# Altium PCB KASLI-DIOT-CPU.PcbDoc (part 3 of 5) (continued)
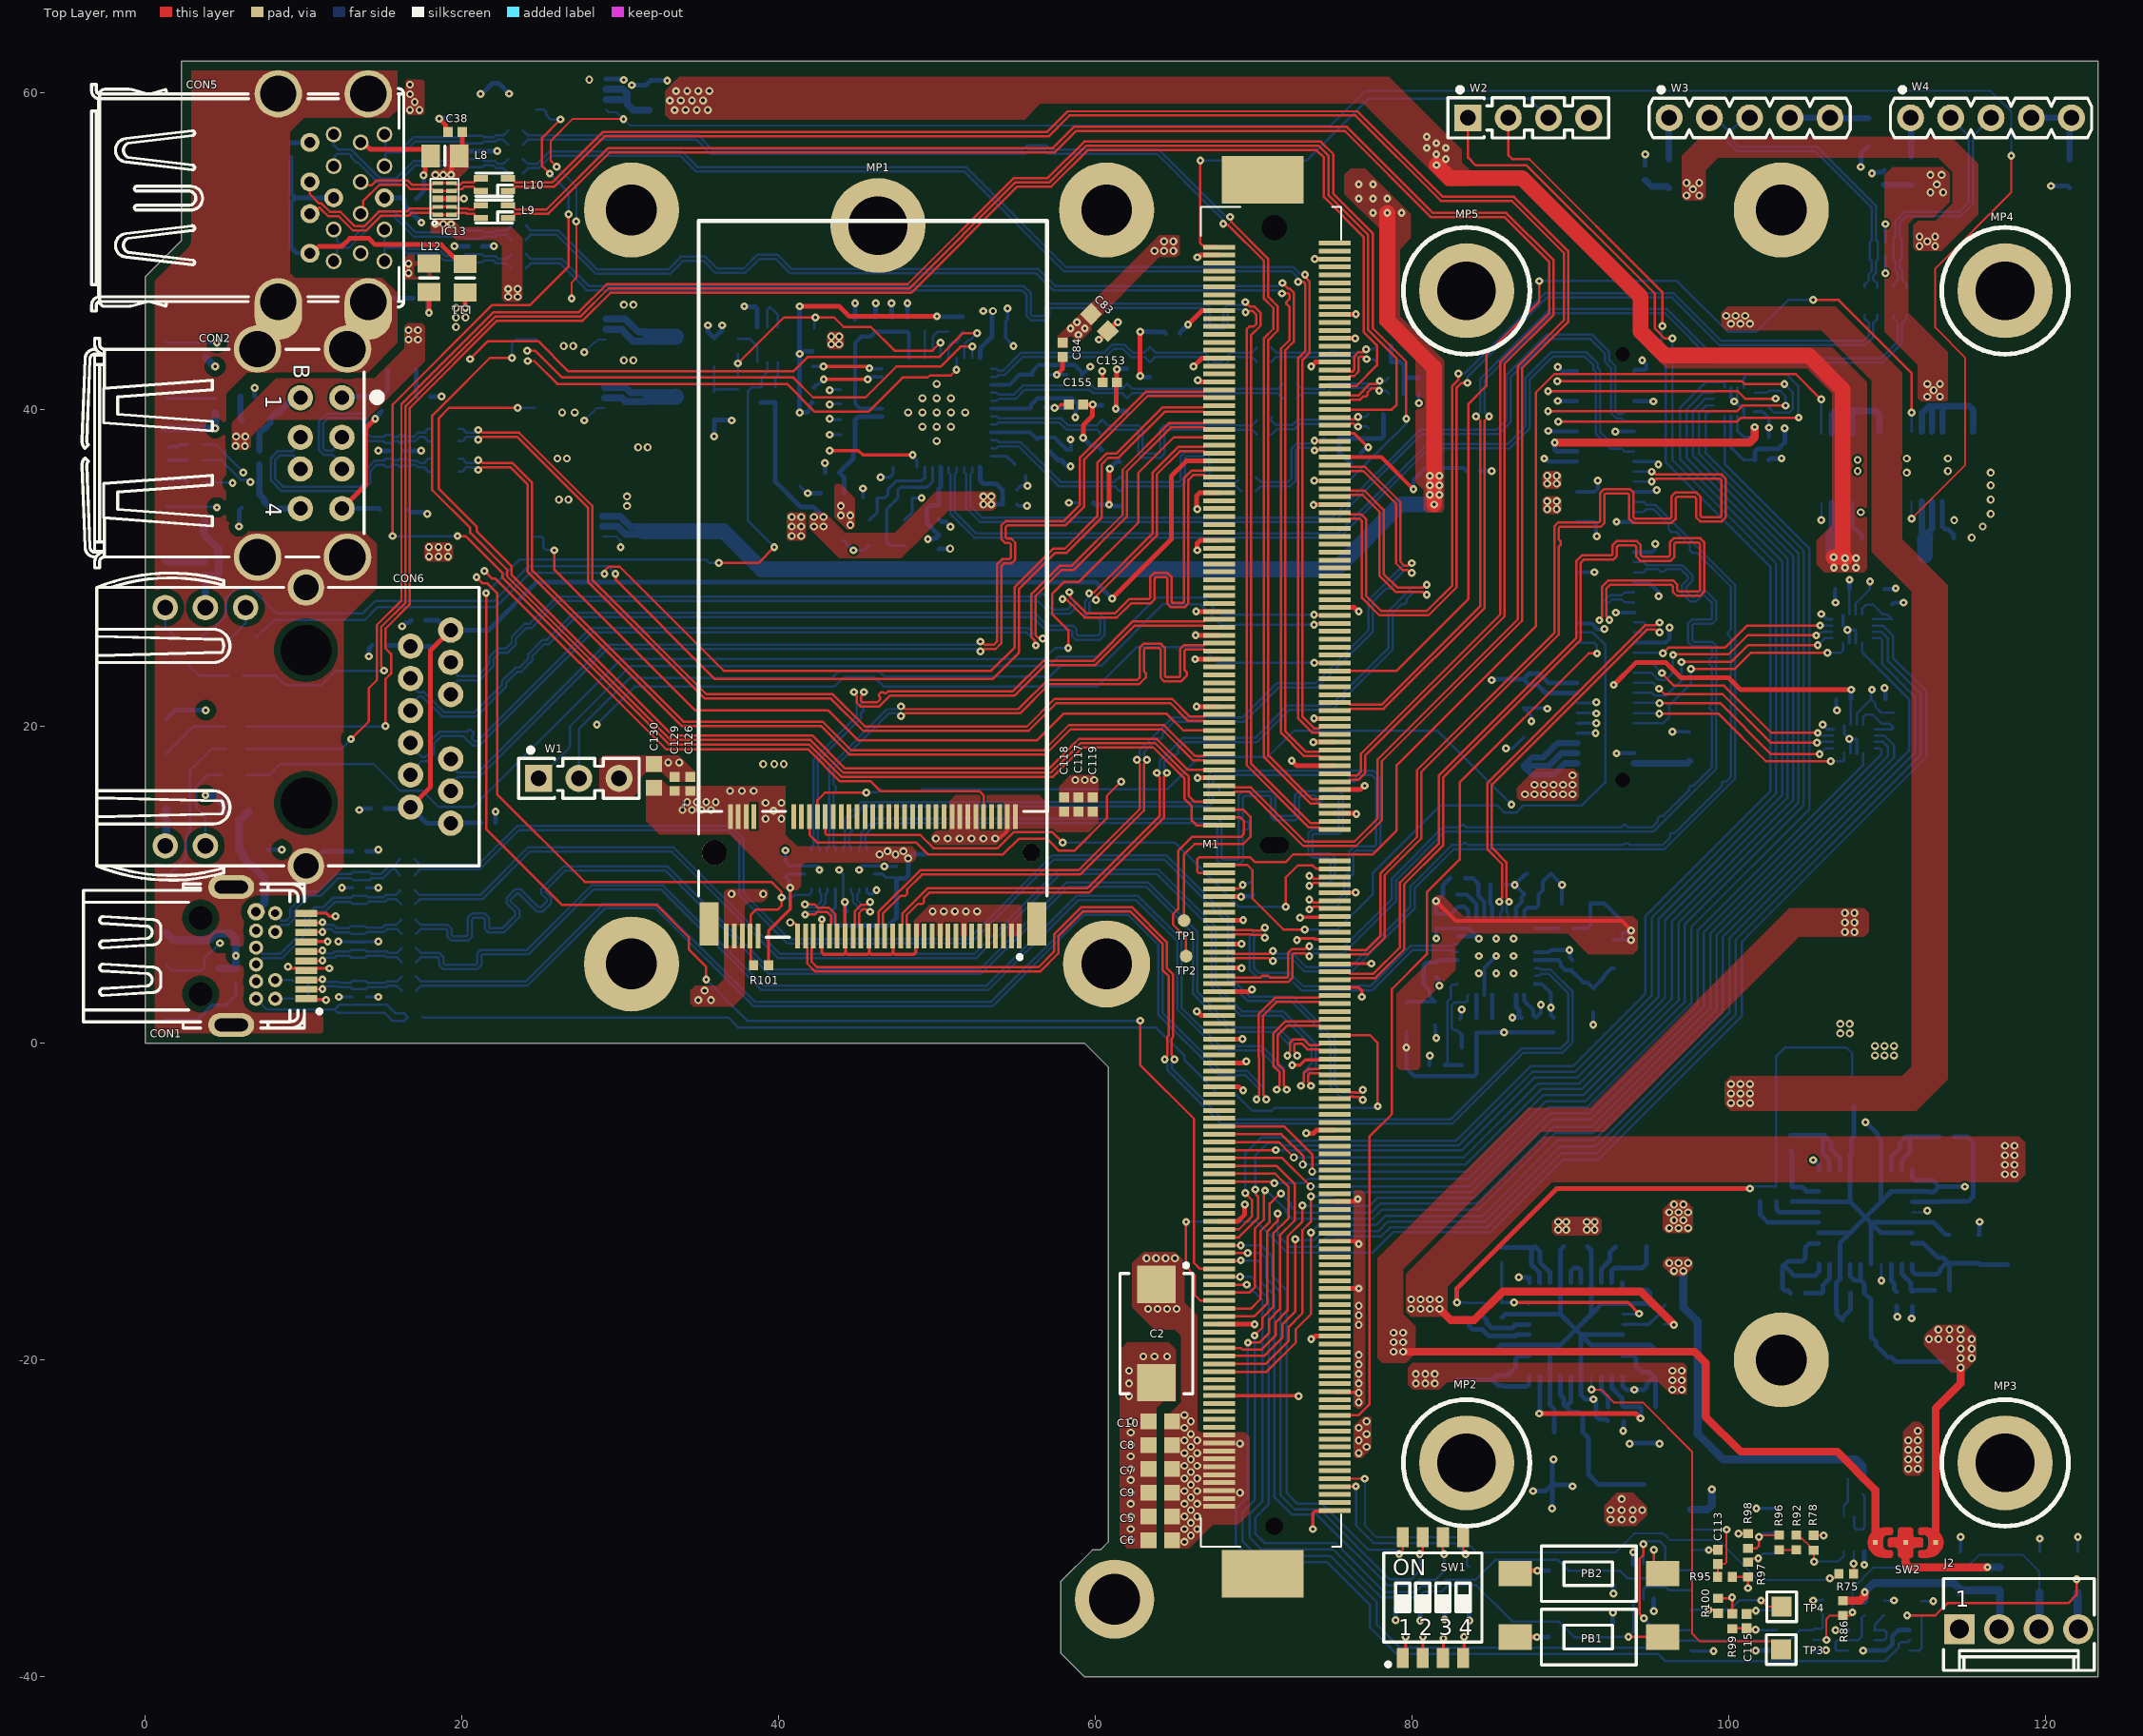
[diagram p0: Top Layer view]
## Nets (pads, with @x,y where several pads share a name; then routed paths per layer and width w, separated by ;. In a path a pad name is that pad's centre, name@x,y a point inside that pad or via, vN(x,y) a via of type N, cw(c..) or ccw(c..) an arc to the next point about the centre after c; other vN are vias at no path point) (continued)
  other v1: 84.2,4.4 85.3,4.4 86.4,4.4 84.2,5.5 86.4,5.5 85.3,6.6 86.4,6.6
  other v2: 89.22,-11.783 89.72,-11.783 91.02,-11.783 91.52,-11.783 89.22,-11.283 89.72,-11.283 91.02,-11.283 91.52,-11.283
  other v3: 62.22,-31.383 62.22,-30.683 62.22,-29.883 62.22,-29.083 62.22,-28.383 62.22,-27.583 62.22,-26.883 111.32,-26.883 111.92,-26.883 111.32,-26.283 111.92,-26.283 62.22,-26.083 76.62,-25.883 111.32,-25.683 111.92,-25.683 77.12,-25.483 62.22,-25.383 76.62,-25.083 111.32,-25.083 111.92,-25.083 77.12,-24.683 62.22,-24.583 111.92,-24.483 76.62,-24.283 62.22,-23.883 77.12,-23.883 76.62,-22.683 62.12,-22.283 62.12,-21.483 76.62,-21.483 76.62,-20.883 62.12,-20.683 76.62,-20.283 63.02,-19.783 63.72,-19.783 64.52,-19.783 76.62,-19.683 76.62,-17.783 76.62,-17.183 76.62,-16.583 34.92,2.717 35.72,2.717 35.32,3.317 49.72,8.317 50.42,8.317 51.12,8.317 51.82,8.317 52.52,8.317 37.02,9.417 39.02,9.417 58.72,16.617 59.32,16.617 59.92,16.617 39.02,17.617 39.72,17.617 40.32,17.617 33.02,17.717 33.72,17.717 115.32,31.917 116.02,32.617 114.22,33.017 116.52,33.417 108.32,33.517 30.42,33.917 26.12,34.317 26.72,34.317 116.52,34.317 30.42,34.517 116.52,35.217 111.22,36.017 116.52,36.017 108.12,36.117 113.82,36.117 108.12,36.817 26.02,36.917 26.62,36.917 111.22,36.917 113.82,36.917 31.12,37.617 31.72,37.617 49.97,38.017 49.07,38.917 49.97,38.917 50.87,38.917 26.32,39.817 27.12,39.817 48.17,39.817 49.07,39.817 49.97,39.817 50.87,39.817 51.77,39.817 49.07,40.717 49.97,40.717 50.87,40.717 49.97,41.617 30.22,43.117 30.82,43.117 26.42,44.017 27.02,44.017 19.62,45.217 19.62,45.817 20.22,45.817 19.62,46.417 30.22,46.617 30.82,46.617 28.034,60.829
GPIO0: IC3.6 M1.P108 | length 79.2
  Top Layer w0.15: M1.P108@67.8,-5.25 71.911,-5.25 73.681,-7.021 v2(73.681,-8.11)
  Bottom Layer w0.15: v2(73.681,-8.11) 73.686,-8.115 83.436,-8.115 88.276,-3.275 90.829,-3.275 96.813,2.709 96.813,7.609 104.377,15.174 104.377,30.937 98.12,37.194 98.12,39.817 98.57,40.267 IC3.6@99.02,40.267
GPIO1: IC3.7 M1.P109 | length 78.6
  Top Layer w0.15: M1.P109@67.8,-5.75 71.737,-5.75 73.137,-7.15 73.137,-7.617 v2(73.088,-7.667)
  Bottom Layer w0.15: v2(73.088,-7.667) 73.102,-7.653 83.387,-7.653 88.145,-2.895 90.708,-2.895 96.395,2.791 96.395,7.691 104.039,15.336 104.039,30.772 97.72,37.092 97.72,39.917 98.47,40.667 IC3.7@99.02,40.667
GPIO2: IC3.8 M1.P110 | length 77.9
  Top Layer w0.15: M1.P110@67.8,-6.25 71.56,-6.25 v2(72.525,-7.215)
  Bottom Layer w0.15: v2(72.525,-7.215) 83.265,-7.215 87.934,-2.547 90.556,-2.547 95.959,2.856 95.959,7.756 103.693,15.489 103.693,30.605 97.32,36.978 97.32,40.017 98.37,41.067 IC3.8@99.02,41.067
GPIO3: IC3.9 M1.P111 | length 78.7
  Top Layer w0.15: M1.P111@67.8,-6.75 67.801,-6.752 v1(71.388,-6.752)
  Bottom Layer w0.15: v1(71.388,-6.752) 71.395,-6.758 83.128,-6.758 87.728,-2.158 90.445,-2.158 95.559,2.955 95.559,7.855 103.355,15.652 103.355,30.418 96.92,36.853 96.92,40.117 98.52,41.717 99.72,41.717 IC3.9@99.72,41.367
GPIO4: IC3.4 M1.P112 | length 77.7
  Top Layer w0.15: M1.P112@67.8,-7.25 71.782,-7.25 v2(73.581,-9.049)
  Bottom Layer w0.15: v2(73.581,-9.049) 73.587,-9.042 83.578,-9.042 88.587,-4.033 91.07,-4.033 97.62,2.517 97.62,7.317 105.061,14.758 105.061,31.246 99.72,36.588 99.72,39.117 IC3.4@99.72,39.567
GPIO7: IC3.5 M1.P115 | length 77.5
  Top Layer w0.15: M1.P115@67.8,-8.75 71.109,-8.75 71.189,-8.83 v1(71.284,-8.83)
  Bottom Layer w0.15: v1(71.284,-8.83) 73.17,-8.83 73.445,-8.555 83.548,-8.555 88.42,-3.683 90.92,-3.683 97.196,2.593 97.196,7.493 104.724,15.02 104.724,31.07 98.52,37.274 98.52,39.667 98.72,39.867 IC3.5@99.02,39.867
HPD: CON1.2 IC4.4 IC4.5 IC4.6 IC4.7 R6.2 | length 15.3
  Bottom Layer w0.15: CON1.2@7,2.8 7.685,2.115 11.943,2.115 ; 11.943,2.115 12.245,2.417 IC4.4@13.075,2.417 IC4.7@13.945,2.417 15.276,2.417 15.821,1.872 16.355,1.872 16.57,1.657 16.57,1.627 16.355,1.412 15.614,1.412 15.109,1.917 IC4.6@13.945,1.917 IC4.5@13.075,1.917 12.142,1.917 11.943,2.115
I2C_CK: M1.S48 W1.1 | length 56.2
  Top Layer w0.15: v1(73.803,27.045) 73.826,27.022 75.078,27.022 M1.S48@75.1,27
  Bottom Layer w0.15: W1.1@24.84,16.717 26.82,18.697 26.82,20.017 30.606,23.802 57.053,23.802 57.643,24.392 60.096,24.392 63.82,28.117 66.82,28.117 67.892,27.045 v1(73.803,27.045)
I2C_DAT: M1.S49 W1.2 | length 54.9
  Top Layer w0.15: v1(73.803,26.425) 73.878,26.5 M1.S49@75.1,26.5
  Bottom Layer w0.15: W1.2@27.38,16.717 27.38,19.831 30.595,23.046 43.356,23.046 43.782,23.472 46.337,23.472 46.654,23.154 57.123,23.154 57.8,23.831 60.365,23.831 64.251,27.717 66.62,27.717 67.912,26.425 v1(73.803,26.425)
LID_BTN#_1V8: M1.S148
M.2_ACTIVITY#: *.10 R104.1 | length 62.3
  Top Layer w0.15: v1(21.42,29.817) 21.92,29.317 22.12,29.317 32.884,18.553 41.839,18.553 43.861,16.531 45.806,16.531 46.42,15.917 52.67,15.917 52.94,15.647 *.10@52.94,14.308
  Layer 1 w0.15: v1(5.519,35.37) 5.519,35.645 5.52,35.646 5.52,36.317 5.68,36.477 6.66,36.477 7.889,35.248 19.289,35.248 21.42,33.117 v1(21.42,29.817)
  Bottom Layer w0.15: R104.1@3.6,35.4 5.489,35.4 v1(5.519,35.37)
M.2_PEDET: *.69 IC21.9 R101.2 R103.1 | length 66.1
  Top Layer w0.15: v1(20.92,29.417) 21.32,29.017 21.62,29.017 22.22,28.417 22.22,15.717 27.751,10.185 39.543,10.185 40.174,9.554 v1(40.174,9.195) 40.174,8.67 39.92,8.417 38.548,8.417 38.22,8.088 38.22,6.788 *.69@38.19,6.758 38.22,6.728 38.22,5.117 R101.2@38.42,4.917
  Layer 1 w0.15: v1(6.65,35.418) 6.683,35.418 7.184,34.917 19.02,34.917 20.92,33.017 v1(20.92,29.417)
  Bottom Layer w0.15: R103.1@3.6,36.8 4.799,36.8 6.013,35.587 6.42,35.587 6.589,35.418 v1(6.65,35.418) ; v1(40.174,9.195) 40.227,9.142 40.775,9.142 40.991,9.357 41.915,9.357 42.07,9.512 IC21.9@42.07,9.742
M.2_PER0_N: *.41 IC21.4 | length 4.7
  Top Layer w0.15: *.41@45.19,6.758 45.19,7.383 45.075,7.498 45.075,8.222 45.325,8.472 45.507,8.472 45.682,8.297 v1(45.77,8.297)
  Bottom Layer w0.15: IC21.4@44.57,9.742 44.57,9.512 44.685,9.397 44.685,8.92 45.133,8.472 45.745,8.472 45.77,8.447 v1(45.77,8.297)
M.2_PER0_P: *.43 IC21.3 | length 4.7
  Top Layer w0.15: *.43@44.69,6.758 44.69,7.383 44.805,7.498 44.805,8.333 45.213,8.742 45.507,8.742 45.682,8.917 v1(45.77,8.917)
  Bottom Layer w0.15: IC21.3@45.07,9.742 45.07,9.512 44.955,9.397 44.955,9.032 45.245,8.742 45.745,8.742 45.77,8.767 v1(45.77,8.917)
M.2_PET0_N: *.47 IC21.8 | length 5.7
  Top Layer w0.15: v1(41.645,8.767) 42.255,8.767 42.458,8.564 43.154,8.564 43.575,8.143 43.575,7.498 43.69,7.383 *.47@43.69,6.758
  Bottom Layer w0.15: v1(41.645,8.767) 41.718,8.767 41.908,8.577 42.305,8.577 42.685,8.957 42.685,9.397 42.57,9.512 IC21.8@42.57,9.742
M.2_PET0_P: *.49 IC21.7 | length 5.7
  Top Layer w0.15: v1(41.67,8.117) 42.28,8.117 42.458,8.294 43.042,8.294 43.305,8.032 43.305,7.498 43.19,7.383 *.49@43.19,6.758
  Bottom Layer w0.15: v1(41.67,8.117) 41.743,8.117 41.933,8.307 42.417,8.307 42.955,8.845 42.955,9.397 43.07,9.512 IC21.7@43.07,9.742
NetC29_2: C29.2 C30.2 IC7.6 IC7.7 IC7.8 L2.2 | length 1.7
  Bottom Layer w0.3: C29.2@17.1,40.8 L2.2@17.1,42.5
NetC32_2: C32.2 C33.2 IC8.6 IC8.7 IC8.8 L1.1 | length 1.5
  Bottom Layer w0.4: C32.2@6,40.8 6,39.4 L1.1@6.1,39.3
  other v2: 5.7,37.7 6.3,37.7 5.735,38.3 6.319,38.3 16.62,44.417 17.22,44.417 16.62,45.017 17.22,45.017
NetC34_1: C34.1 CON2.B1 L1.2 | length 4.8
  Bottom Layer w0.4: C34.1@7.22,37.417 7.22,38.541 7.454,38.775 7.525,38.775 7.9,39.15 L1.2@7.9,39.3 7.9,39.45 8.275,39.825 8.425,39.825 9.12,40.52 9.57,40.52 CON2.B1@9.8,40.75
NetC34_2: C34.2 CON2.B4 L6.2 | length 4.9
  Bottom Layer w0.4: C34.2@7.22,36.517 7.22,34.632 7.525,34.327 7.525,34.175 L6.2@7.9,33.8 7.95,33.75 CON2.B4@9.8,33.75
NetC35_1: C35.1 CON2.A1 L2.1 | length 4.4
  Bottom Layer w0.3: CON2.A1@12.42,40.75 12.487,40.817 C35.1@14.92,40.817 15.3,41.197 L2.1@15.3,42.5
NetC35_2: C35.2 CON2.A4 L5.1 | length 9.6
  Top Layer w0.3: CON2.A4@12.42,33.75 13.92,35.25 13.92,38.817 v1(14.52,39.417)
  Bottom Layer w0.3: CON2.A4@12.42,33.75 14.75,33.75 L5.1@14.8,33.7 ; v1(14.52,39.417) 14.76,39.657 14.76,39.757 C35.2@14.92,39.917
NetC38_2: C38.2 C39.2 IC11.6 IC11.7 IC11.8 L8.2 | length 3
  Top Layer w0.3: v1(19.32,54.817) 19.32,55.367 19.82,55.867 L8.2@19.82,56.017 20.02,56.217 C38.2@20.02,57.517
  other v1: 22.92,47.617 19.32,51.717
  other v2: 22.92,47.117 23.52,47.117 23.52,47.617 18.32,51.717 18.82,51.717 18.32,54.817 18.82,54.817
NetC41_1: C41.1 CON5.1 L7.2 | length 1.2
  Bottom Layer w0.3: C41.1@9.22,56.817 9.247,56.843 10.373,56.843 CON5.1@10.4,56.87
  other v3: 16.72,58.917 17.32,58.917 17.02,59.417 16.72,59.917 16.72,60.517
NetC41_2: C41.2 CON5.4 CON5.7 L11.2 | length 20.5
  Top Layer w0.3: CON5.4@10.4,49.87 10.529,49.87 10.976,50.317 12.42,50.317 12.908,50.804 14.128,50.804 14.516,50.417 18.685,50.417 19.476,49.625 19.775,49.625 L11.2@20.2,49.2
  Bottom Layer w0.3: C41.2@9.22,55.917 9.22,53.617 9.467,53.37 ; CON5.4@10.4,49.87 9.567,49.87 9.22,50.217 9.22,53.123 9.467,53.37 ; CON5.7@11.9,53.37 9.467,53.37
NetC42_1: C42.1 CON5.10 L8.1 | length 8.5
  Top Layer w0.3: CON5.10@13.6,56.87 13.772,56.87 14.226,56.417 17.62,56.417 18.372,55.665 18.372,55.592 17.819,55.592 17.669,55.442 17.669,54.944 17.578,54.853 v1(17.578,54.798)
  Bottom Layer w0.3: C42.1@17.12,53.317 17.578,53.775 v1(17.578,54.798)
NetC42_2: C42.2 CON5.13 CON5.16 L12.1 | length 8.5
  Layer 1 w0.3: CON5.13@13.6,49.87 13.765,49.87 14.226,50.33 17.244,50.33 17.431,50.517 v1(17.431,51.804)
  Bottom Layer w0.3: CON5.16@15.1,53.37 C42.2@16.167,53.37 ; C42.2@16.22,53.317 16.38,53.157 16.38,52.855 v1(17.431,51.804)
  other v3: 16.62,48.617 16.62,49.217
NetC43_2: C43.2 C44.2 IC12.6 IC12.7 IC12.8 L7.1
NetC51_2: C51.2 C52.2 R22.2 | length 3.1
  Bottom Layer w0.15: C51.2@35.92,42.717 C52.2@35.92,41.142 36.055,41.277 R22.2@37.42,41.277
NetC53_2: C53.2 IC17.19 Q1.1 | length 8.1
  Bottom Layer w0.2: Q1.1@47.92,31.417 47.02,31.417 46.82,31.617 46.82,33.717 C53.2@47.52,34.417 47.52,34.904 47.714,35.098 49.356,35.098 49.72,35.462 IC17.19@49.72,36.367
NetC54_2: C54.2 IC17.20 Q1.3 | length 6
  Bottom Layer w0.2: Q1.3@45.72,33.017 46.22,33.517 C54.2@46.22,34.417 ; C54.2@46.224,34.421 46.703,34.421 46.893,34.611 46.893,34.952 47.445,35.505 49.02,35.505 49.22,35.704 IC17.20@49.22,36.367
NetC55_1: C55.1 R42.2 R43.2 R44.2 R45.2 | length 4.6
  Bottom Layer w0.3: R45.2@78.66,44.017 R44.2@78.66,43.017 79.226,43.017 79.46,42.783 R43.2@79.46,42.017 ; R42.2@79.46,41.017 R43.2@79.46,42.017 ; C55.1@80.42,42.017 R43.2@79.46,42.017
NetC78_2: C78.2 R50.1 R51.1 R52.1 R53.1 | length 6.2
  Bottom Layer w0.3: C78.2@76.12,36.617 76.06,36.617 R53.1@75.36,37.317 75.39,37.347 R52.1@75.39,38.217 75.439,38.168 78.048,38.168 78.19,38.311 R51.1@78.19,38.817 R50.1@78.19,39.717
NetC91_2: C91.2 C92.2 IC18.8 IC18.9 IC18.14 IC18.15 R57.1 R60.2 | length 14.2
  Bottom Layer w0.3: R60.2@85.65,-12.91 C91.2@87.69,-12.91 ; IC18.8@88.05,-15.125 88.025,-15.1 88.025,-14.488 87.52,-13.983 87.52,-13.08 C91.2@87.69,-12.91 ; IC18.9@88.7,-15.125 88.681,-15.106 88.681,-14.445 88.049,-13.812 88.049,-13.149 C91.2@87.75,-12.85 C91.2@87.69,-12.91 ; IC18.14@91.95,-15.125 91.95,-14.253 92.475,-13.728 92.475,-13.225 C92.2@92.85,-12.85 ; IC18.15@92.6,-15.125 92.6,-14.359 92.776,-14.183 94.52,-14.183 94.795,-13.908 R57.1@94.795,-12.833
NetC97_2: C97.2 C98.2 IC18.1 IC18.22 IC18.23 IC18.32 R64.1 R65.2 | length 16.4
  Bottom Layer w0.3: R64.1@82.85,-21.25 C98.2@85.05,-21.25 ; IC18.1@87.363,-19.72 87.338,-19.746 86.758,-19.746 86.52,-19.983 86.52,-20.483 86.024,-20.979 85.321,-20.979 C98.2@85.05,-21.25 ; IC18.32@87.4,-21.05 87.375,-21.075 87.375,-21.508 87.199,-21.683 85.776,-21.683 85.717,-21.625 85.425,-21.625 C98.2@85.05,-21.25 ; IC18.23@93.25,-21.05 93.275,-21.075 93.275,-21.638 93.52,-21.883 v1(94.02,-21.883) 94.617,-21.883 94.8,-21.7 94.8,-21.525 95.175,-21.15 C97.2@95.35,-21.15 ; IC18.22@93.288,-19.72 93.944,-19.721 94.12,-19.896 94.12,-20.383 94.512,-20.775 94.975,-20.775 C97.2@95.35,-21.15 ; R65.2@95.35,-22.95 C97.2@95.35,-21.15
  other v2: 96.42,-21.883 97.02,-21.883 80.22,-21.483 80.82,-21.483 81.42,-21.483 96.42,-21.283 97.02,-21.283 80.22,-20.883 80.82,-20.883 81.42,-20.883 96.42,-20.683 97.02,-20.683
NetC99_2: C99.2 IC18.25 | length 2.1
  Bottom Layer w0.3: IC18.25@91.95,-21.05 91.95,-21.913 92.35,-22.313 C99.2@92.35,-22.95
NetC100_2: C100.2 C101.2 IC19.14 IC19.15 R71.1 R74.2 | length 7.1
  Bottom Layer w0.3: IC19.14@110.25,-8.038 110.25,-7.153 110.8,-6.603 110.8,-6.275 C100.2@111.175,-5.9 ; IC19.15@110.9,-8.038 110.925,-8.013 110.925,-7.378 111.42,-6.883 111.42,-6.145 C100.2@111.175,-5.9 ; R74.2@113.275,-5.9 C100.2@111.175,-5.9
NetC102_2: C102.2 C103.2 IC19.8 IC19.9 R79.1 R81.2 | length 7.1
  Bottom Layer w0.3: R81.2@103.875,-5.83 106.005,-5.83 C102.2@106.075,-5.9 ; IC19.8@106.35,-8.038 106.325,-8.013 106.325,-7.388 105.92,-6.983 105.92,-6.055 C102.2@106.075,-5.9 ; IC19.9@107,-8.038 107,-7.263 106.45,-6.713 106.45,-6.275 C102.2@106.075,-5.9
NetC104_2: C104.2 C105.2 IC19.1 IC19.32 R83.1 R84.2 | length 8.5
  Bottom Layer w0.3: R84.2@103.875,-15.8 103.875,-15.791 103.735,-15.651 103.551,-15.651 103.375,-15.475 C105.2@103.375,-14.1 ; IC19.1@105.663,-12.633 105.638,-12.658 105.045,-12.658 104.82,-12.883 104.82,-13.583 104.62,-13.783 103.692,-13.783 C105.2@103.375,-14.1 ; IC19.32@105.7,-13.963 105.675,-13.988 105.675,-14.428 105.42,-14.683 104.101,-14.683 103.925,-14.508 103.925,-14.475 103.55,-14.1 C105.2@103.375,-14.1
NetC110_2: C110.2 C111.2 IC19.22 IC19.23 R89.1 R90.2 | length 11.5
  Bottom Layer w0.3: IC19.23@111.55,-13.963 111.575,-13.988 111.575,-14.408 111.751,-14.583 113.149,-14.583 113.325,-14.408 113.325,-14.275 113.7,-13.9 C110.2@113.875,-13.9 ; IC19.22@111.588,-12.633 111.596,-12.641 112.278,-12.641 113.162,-13.525 113.5,-13.525 C110.2@113.875,-13.9 ; R90.2@113.915,-15.6 113.915,-13.94 C110.2@113.875,-13.9 ; R89.1@117.575,-14 115.875,-14 C111.2@115.775,-13.9 C110.2@113.875,-13.9
NetC112_2: C112.2 IC19.25 | length 1.9
  Bottom Layer w0.3: IC19.25@110.25,-13.963 110.25,-15.013 110.428,-15.191 110.428,-15.553 C112.2@110.575,-15.7
NetC113_1: C113.1 IC20.15 R95.2 | length 5.7
  Top Layer w0.12: R95.2@99.27,-33.708 99.295,-33.683 C113.1@99.295,-32.883 99.72,-32.883 99.845,-32.758 v1(99.845,-30.708)
  Bottom Layer w0.12: IC20.15@97.6,-30.725 97.617,-30.708 v1(99.845,-30.708)
NetC113_2: C113.2 IC20.14 | length 1.7
  Top Layer w0.12: v1(98.72,-32.008) 99.27,-32.008 C113.2@99.295,-31.983
  Bottom Layer w0.12: IC20.14@97.6,-31.995 97.613,-32.008 v1(98.72,-32.008)
NetC115_1: C115.1 IC20.7 R99.2 | length 2.9
  Top Layer w0.15: R99.2@100.2,-36.97 100.22,-36.95 C115.1@101.1,-36.95 101.183,-37.033 v1(101.67,-37.033)
  Bottom Layer w0.15: v1(101.67,-37.033) 101.712,-37.075 IC20.7@103,-37.075
NetC115_2: C115.2 IC20.6 | length 2
  Top Layer w0.15: C115.2@101.1,-36.05 101.317,-35.833 v1(101.695,-35.833)
  Bottom Layer w0.15: v1(101.695,-35.833) 101.723,-35.805 IC20.6@103,-35.805
NetC135_2: C135.2 C136.2 IC14.6 IC14.7 IC14.8 L13.1 | length 10.1
  Bottom Layer w0.4: C135.2@94.7,54.5 95.109,54.091 96.109,54.091 L13.1@96.2,54 ; IC14.6@106.475,38.5 106.475,39.672 106.72,39.917 107.27,39.917 ; IC14.7@107.125,38.5 107.125,39.772 107.27,39.917 ; IC14.8@107.775,38.5 107.775,39.872 107.82,39.917 ; C136.2@109.5,38.6 109.5,39.682 109.266,39.917 107.82,39.917 ; 107.27,39.917 107.82,39.917
  other v2: 112.02,50.317 113.02,50.317 112.52,50.617 112.02,50.917 113.02,50.917 97.32,53.517 98.12,53.517 97.72,53.917 97.32,54.317 98.12,54.317
NetC138_2: C138.2 C139.2 IC23.6 IC23.7 IC23.8 L16.1 | length 11.1
  Bottom Layer w0.4: C138.2@109.8,54.2 L16.1@111.5,54.2 ; IC23.6@112.175,38.6 112.175,39.772 112.62,40.217 ; IC23.7@112.825,38.6 112.825,40.012 112.62,40.217 ; IC23.8@113.475,38.6 113.475,40.172 113.52,40.217 ; C139.2@115.4,38.6 115.42,38.62 115.42,39.982 115.186,40.217 113.52,40.217 ; 112.62,40.217 113.52,40.217
  other v2: 112.52,40.817 113.32,40.817 112.92,41.217 112.52,41.617 113.32,41.617 112.72,53.717 113.52,53.717 113.12,54.217 112.72,54.817 113.42,54.817
NetC141_2: C141.2 C145.2 IC22.4 L19.2 | length 6.7
  Bottom Layer w0.254: L19.2@79.62,2.517 79.72,2.617 C145.2@81.42,2.617 81.105,2.932 81.105,3.332 80.72,3.717 80.72,4.917 80.903,5.1 C141.2@81.5,5.1 81.65,5.25 IC22.4@82.85,5.25
NetC142_2: C142.2 C146.2 IC22.21 L20.2 | length 6.4
  Bottom Layer w0.254: IC22.21@87.75,5.25 C142.2@89.2,5.25 89.383,5.067 89.383,4.882 89.649,4.617 90.02,4.617 90.797,3.84 91.047,3.84 C146.2@91.42,3.467 92.122,4.169 92.122,4.269 92.57,4.717 L20.2@92.72,4.717
NetC143_2: C143.2 C144.2 C147.2 IC22.16 IC22.25 L21.2 | length 16.8
  Layer 1 w0.5: v1(88.12,2.417) 88.12,8.67 v1(89.45,10)
  Bottom Layer w0.254: IC22.25@87.05,3.05 87.073,3.027 87.073,2.664 87.643,2.094 87.643,1.757 C143.2@87.8,1.6 88.12,1.92 v1(88.12,2.417) ; IC22.16@87.05,7.95 87.073,7.973 87.073,8.373 87.25,8.55 87.8,8.55 87.975,8.725 C144.2@87.975,9.375 88.25,9.65 88.25,10.2 C147.2@88.75,10.7 v1(89.45,10) L21.2@89.45,8.825
NetC152_1: C152.1 R9.2 R11.2 | length 5.3
  Top Layer w0.3: v1(62.82,42.117) v1(62.82,44.917)
  Bottom Layer w0.3: v1(62.82,42.117) 62.72,42.117 62.788,42.048 R11.2@63.436,42.048 ; v1(62.82,44.917) 63.408,44.917 R9.2@63.436,44.888 64.348,44.888 C152.1@64.42,44.817
NetC153_1: C153.1 R10.2 R12.2 | length 4
  Top Layer w0.3: v1(61.276,40.058) 61.312,40.093 61.312,41.678 C153.1@61.348,41.714 v1(61.348,42.545)
  Bottom Layer w0.3: v1(61.276,40.058) 61.33,40.058 61.471,39.917 61.86,39.917 R12.2@62,39.777 ; v1(61.348,42.545) 61.38,42.577 R10.2@62,42.577
NetC154_2: C154.2 R14.1 R15.1 | length 4.8
  Top Layer w0.3: v1(60.861,34.004) 60.861,36.242 v1(60.892,36.273)
  Bottom Layer w0.3: C154.2@59.87,34.117 59.983,34.004 v1(60.861,34.004) 60.958,33.907 R14.1@61.52,33.907 ; v1(60.892,36.273) 61.305,36.687 R15.1@61.52,36.687
NetC155_2: C155.2 R16.1 R17.1 | length 5.1
  Top Layer w0.3: v1(59.22,38.217) 59.22,39.017 59.82,39.617 v1(59.82,40.317) C155.2@59.22,40.317
  Bottom Layer w0.3: v1(59.22,38.217) 59.72,37.717 60.15,37.717 R16.1@60.42,37.447 R16.1@60.35,37.447 ; v1(59.82,40.317) 59.85,40.287 R17.1@60.42,40.287
NetCON6_13: CON6.13 R19.2 | length 5.9
  Bottom Layer w0.15: CON6.13@3.8,12.46 3.8,14.317 3.219,14.897 3.219,16.216 3.92,16.917 R19.2@4.82,16.917
NetCON6_15: CON6.15 R20.2 | length 2.3
  Bottom Layer w0.15: R20.2@5.445,25.617 6.34,26.512 CON6.15@6.34,27.5
NetCON6_17: CON6.17 R21.2 | length 2.2
  Bottom Layer w0.15: CON6.17@1.26,27.5 1.26,26.277 R21.2@1.92,25.617
NetD11_2: D11.2 IC22.24 R107.1 | length 58.5
  Layer 1 w0.15: v1(86.259,15.07) 86.259,14.078 90.02,10.317 90.02,9.617 88.754,8.35 v1(88.754,2.24)
  Bottom Layer w0.15: D11.2@49.02,16.017 64.52,16.017 66.57,18.067 70.87,18.067 72.52,19.717 81.612,19.717 v1(86.259,15.07)
  Bottom Layer w0.254: IC22.24@87.75,3.75 87.773,3.727 88.187,3.727 88.754,3.16 v1(88.754,2.24) 88.754,1.78 88.917,1.617 R107.1@88.92,1.617
NetF1_1: F1.1 SW2.2 | length 7.4
  Top Layer w0.5: SW2.2@111.145,-31.533 111.145,-32.815 111.438,-33.108 116.295,-33.108 v1(116.32,-33.083)
  Bottom Layer w0.5: v1(116.32,-33.083) 117.083,-33.083 F1.1@117.1,-33.1
NetIC1_4: IC1.4 IC1.5 R2.2 | length 3.9
  Bottom Layer w0.15: IC1.4@108.4,27.067 108.4,27.422 108.67,27.692 109.095,27.692 109.72,27.067 110,27.067 R2.2@110.3,26.767 IC1.5@109.1,26.767
NetIC2_4: IC2.4 IC2.5 R3.2 | length 4
  Bottom Layer w0.15: IC2.4@108.475,20.117 108.475,20.572 108.645,20.742 109.07,20.742 109.645,20.167 110.125,20.167 R3.2@110.375,19.917 110.275,19.817 IC2.5@109.175,19.817
NetIC14_5: IC14.5 M1.P76 | length 68.4
  Top Layer w0.15: M1.P76@67.8,10.75 66.508,10.75 66.42,10.838 66.42,11.592 66.57,11.742 69.745,11.742 70.068,11.419 71.996,11.419 72.494,11.917 77.511,11.917 79.02,13.425 79.02,17.546 87.795,26.321 87.795,41.071 88.967,42.242 104.219,42.242 v1(105.82,40.642)
  Bottom Layer w0.15: v1(105.82,40.642) 105.82,38.505 IC14.5@105.825,38.5
NetIC17_12: IC17.12 R34.1 | length 1.7
  Bottom Layer w0.2: IC17.12@53.42,37.067 54.37,37.067 R34.1@54.914,36.523
NetIC17_41: IC17.41 R23.2 | length 1.7
  Bottom Layer w0.15: IC17.41@49.22,43.267 R23.2@49.22,44.947
NetIC17_42: IC17.42 R25.2 | length 2
  Bottom Layer w0.15: 49.721,43.717 49.721,44.603 50.034,44.917 R25.2@50.72,44.917
NetIC17_44: IC17.44 R32.1 | length 2.2
  Bottom Layer w0.15: IC17.44@50.72,43.267 50.72,44.017 50.964,44.26 51.251,44.26 51.382,44.391 51.382,44.679 R32.1@51.62,44.917
NetIC18_3: IC18.3 R58.1 | length 4.6
  Bottom Layer w0.3: R58.1@83.45,-17.35 83.587,-17.487 83.587,-17.85 83.82,-18.083 84.42,-18.083 84.82,-18.483 86.52,-18.483 86.591,-18.413 IC18.3@87.363,-18.413
NetIC18_4: IC18.4 R59.1 | length 3.3
  Bottom Layer w0.3: R59.1@84.55,-17.35 84.57,-17.35 84.71,-17.49 84.71,-17.673 85.02,-17.983 86.32,-17.983 86.529,-17.775 IC18.4@87.362,-17.775
NetIC18_6: IC18.6 IC18.18 R60.1 R62.2 | length 13.5
  Top Layer w0.2: v1(86.42,-16.383) 93.62,-16.383 v1(94.32,-17.083)
  Bottom Layer w0.2: R60.1@85.65,-13.85 R62.2@85.65,-16.38 85.653,-16.383 v1(86.42,-16.383) 87.291,-16.383 IC18.6@87.363,-16.455 ; IC18.18@93.288,-17.113 94.291,-17.113 v1(94.32,-17.083)
NetIC18_11: IC18.11 IC18.12 | length 2.3
  Bottom Layer w0.3: IC18.11@90,-15.125 90,-14.403 90.22,-14.183 90.474,-14.183 90.65,-14.359 IC18.12@90.65,-15.125
NetIC18_24: IC18.24 IC18.31 R65.1 R66.2 | length 12.9
  Top Layer w0.3: v1(88.02,-23.383) 94.12,-23.383 v1(94.42,-23.683)
  Bottom Layer w0.3: v1(88.02,-23.383) 88.05,-23.353 IC18.31@88.05,-21.05 ; IC18.24@92.6,-21.05 92.6,-21.763 93.25,-22.413 93.25,-22.85 R66.2@93.35,-22.95 R65.1@94.41,-22.95 94.42,-22.96 v1(94.42,-23.683)
NetIC19_3: IC19.3 R72.1 | length 4.7
  Bottom Layer w0.3: R72.1@101.975,-10 101.975,-10.838 102.462,-11.325 IC19.3@105.663,-11.325
NetIC19_4: IC19.4 R73.1 | length 3.3
  Bottom Layer w0.3: R73.1@102.975,-10 103.001,-10.026 103.001,-10.508 103.177,-10.683 105.658,-10.683 IC19.4@105.662,-10.687
NetIC19_6: IC19.6 R81.1 R82.2 | length 4.1
  Bottom Layer w0.3: R81.1@103.875,-6.77 103.975,-6.87 R82.2@103.975,-9.06 103.998,-9.083 104.62,-9.083 104.904,-9.367 IC19.6@105.663,-9.367
NetIC19_18: IC19.18 R74.1 R76.2 R77.2 | length 8.7
  Bottom Layer w0.3: IC19.18@111.588,-10.025 113.25,-10.025 R77.2@113.275,-10 R76.2@114.275,-10 115.103,-10 115.42,-9.683 115.42,-6.283 115.037,-5.9 R74.1@114.215,-5.9
NetIC19_24: IC19.24 R90.1 R91.2 | length 3.5
  Bottom Layer w0.3: IC19.24@110.9,-13.963 110.925,-13.988 110.925,-14.588 111.488,-15.151 111.488,-15.613 R91.2@111.575,-15.7 111.675,-15.6 R90.1@112.975,-15.6
NetIC19_31: IC19.31 R84.1 R85.2 | length 3.1
  Bottom Layer w0.3: R84.1@104.815,-15.8 R85.2@105.835,-15.8 105.937,-15.698 105.937,-15.266 106.35,-14.853 IC19.31@106.35,-13.963
NetIC20_2: IC20.2 R96.2 R98.2 | length 3.9
  Top Layer w0.12: v1(101.895,-31.183) 101.998,-31.183 102.123,-31.058 R96.2@103.17,-31.058
  Top Layer w0.15: R98.2@101.2,-31.9 101.728,-31.9 101.895,-31.733 v1(101.895,-31.183)
  Bottom Layer w0.15: v1(101.895,-31.183) 102.13,-30.948 102.777,-30.948 IC20.2@103,-30.725
NetIC20_3: IC20.3 R97.2 | length 2.1
  Top Layer w0.15: R97.2@101.2,-32.76 101.415,-32.545 101.511,-32.545 101.523,-32.533 v1(101.845,-32.533)
  Bottom Layer w0.15: v1(101.845,-32.533) 102.158,-32.22 102.775,-32.22 IC20.3@103,-31.995
NetIC20_10: IC20.10 IC20.13 T5.2 | length 14
  Top Layer w0.15: v1(94.6,-31.628) 94.6,-32.303 94.345,-32.558 94.345,-36.033 v1(94.62,-36.308)
  Bottom Layer w0.15: T5.2@94.6,-32.9 v1(94.6,-31.628) 94.795,-31.433 95.62,-31.433 95.97,-31.783 95.97,-32.983 96.252,-33.265 IC20.13@97.6,-33.265 ; v1(94.62,-36.308) 95.387,-37.075 IC20.10@97.6,-37.075
NetIC20_12: IC20.12 T5.5 | length 3.8
  Bottom Layer w0.15: T5.5@94.6,-35.1 94.6,-34.453 94.72,-34.333 95.995,-34.333 96.197,-34.535 IC20.12@97.6,-34.535
NetIC22_10: IC22.10 R109.2 | length 2.3
  Bottom Layer w0.254: R109.2@82.85,9.375 83.45,9.375 84.05,8.775 IC22.10@84.05,7.95
NetIC22_11: IC22.11 R110.2 | length 3.3
  Bottom Layer w0.254: R110.2@83.367,10.464 R110.2@83.32,10.417 83.82,10.417 84.175,10.062 84.175,9.3 84.55,8.925 IC22.11@84.55,7.95
NetIC22_12: IC22.12 R111.2 | length 2.1
  Bottom Layer w0.254: R111.2@84.925,10 84.925,8.787 85.05,8.662 IC22.12@85.05,7.95
NetIC22_17: IC22.17 R106.1 | length 1.5
  Bottom Layer w0.254: IC22.17@87.75,7.25 R106.1@89.225,7.25
NetIC22_29: IC22.29 R108.1 | length 1.4
  Bottom Layer w0.254: R108.1@85.05,1.6 IC22.29@85.05,3.05
NetIC22_31: IC22.31 R105.1 | length 1.5
  Bottom Layer w0.254: R105.1@84.05,1.6 IC22.31@84.05,3.05
NetL13_2: L13.2 W3.1 | length 2.6
  Bottom Layer w0.4: L13.2@96.2,55.8 96.2,58.397 W3.1@96.22,58.417
NetL15_2: L15.2 W3.4 W3.5 | length 5
  Bottom Layer w0.4: W3.4@103.84,58.417 W3.5@106.38,58.417 106.397,58.4 L15.2@108.8,58.4
NetL16_2: L16.2 W4.1 | length 2.4
  Bottom Layer w0.4: W4.1@111.46,58.417 111.5,58.377 L16.2@111.5,56
NetL18_2: L18.2 W4.4 W4.5 | length 5.2
  Bottom Layer w0.4: W4.4@119.08,58.417 W4.5@121.62,58.417 121.5,58.297 L18.2@121.5,55.8
NetLD1_1: LD1.1 R30.2 | length 4.5
  Bottom Layer w0.15: LD1.1@1.32,18.267 3.033,19.98 R30.2@5.113,19.98
NetLD2_1: LD2.1 R27.2 | length 10.2
  Bottom Layer w0.15: LD2.1@1.32,10.467 2.595,11.741 2.595,13.091 2.82,13.317 2.82,17.217 4.183,18.58 R27.2@5.113,18.58
NetLD3_1: LD3.1 R31.2 | length 4.2
  Bottom Layer w0.15: LD3.1@1.32,23.967 2.627,23.967 2.943,23.65 3.377,23.217 R31.2@5.25,23.217
NetLD4_1: LD4.1 R102.2 | length 1.2
  Bottom Layer w0.254: LD4.1@1.525,37.6 1.583,37.658 2.073,37.658 2.215,37.8 R102.2@2.63,37.8
NetLD4_2: LD4.2 R103.2 | length 1.1
  Bottom Layer w0.254: LD4.2@1.525,36.8 R103.2@2.66,36.8
NetLD4_3: LD4.3 R104.2 | length 1.6
  Bottom Layer w0.254: LD4.3@1.2,35.6 2.348,35.6 2.365,35.583 2.497,35.583 2.66,35.42 R104.2@2.66,35.4
NetLD5_2: LD5.2 R46.1 | length 5.8
  Bottom Layer w0.2: LD5.2@1.32,1.467 3.27,1.467 4.12,2.317 4.129,2.317 4.212,2.4 5.103,2.4 5.72,3.017 R46.1@5.72,3.777
NetLD6_2: LD6.2 R47.1 | length 3.1
  Bottom Layer w0.2: LD6.2@1.32,40.767 1.37,40.717 R47.1@4.42,40.717
NetLD7_2: LD7.2 R48.1 | length 2.4
  Bottom Layer w0.5: LD7.2@1.32,30.467 1.37,30.417 R48.1@3.72,30.417
NetM1_P72: M1.P72 TP1.1 | length 12.3
  Top Layer w0.15: TP1.1@65.595,7.742 65.595,11.917 66.252,12.573 69.335,12.573 69.79,13.028 69.79,14.281 69.321,14.75 M1.P72@67.8,14.75
NetM1_P73: M1.P73 TP2.1 | length 14.2
  Top Layer w0.15: TP2.1@65.72,5.492 65.72,6.667 64.895,7.492 64.895,8.142 65.22,8.467 65.22,12.142 66.094,13.015 69.168,13.015 69.37,13.217 69.37,14.017 69.137,14.25 M1.P73@67.8,14.25
NetM1_P113: M1.P113 T3.2 | length 77.1
  Top Layer w0.15: M1.P113@67.8,-7.75 71.431,-7.75 72.57,-8.889 72.57,-11.21 71.645,-12.135 71.645,-16.783 70.97,-17.458 70.97,-18.283 70.345,-18.908 v1(69.62,-18.908)
  Bottom Layer w0.15: v1(69.62,-18.908) 69.62,-28.658 68.845,-29.433 68.845,-31.608 69.995,-32.758 74.62,-32.758 77.32,-35.458 77.32,-36.883 78.995,-38.558 95.52,-38.558 95.97,-39.008 109.863,-39.008 110.73,-38.141 110.73,-37.918 110.828,-37.821 111.279,-37.821 T3.2@111.4,-37.7